# Altium PCB DM1090FFC.PcbDoc (part 1 of 4) (continued)
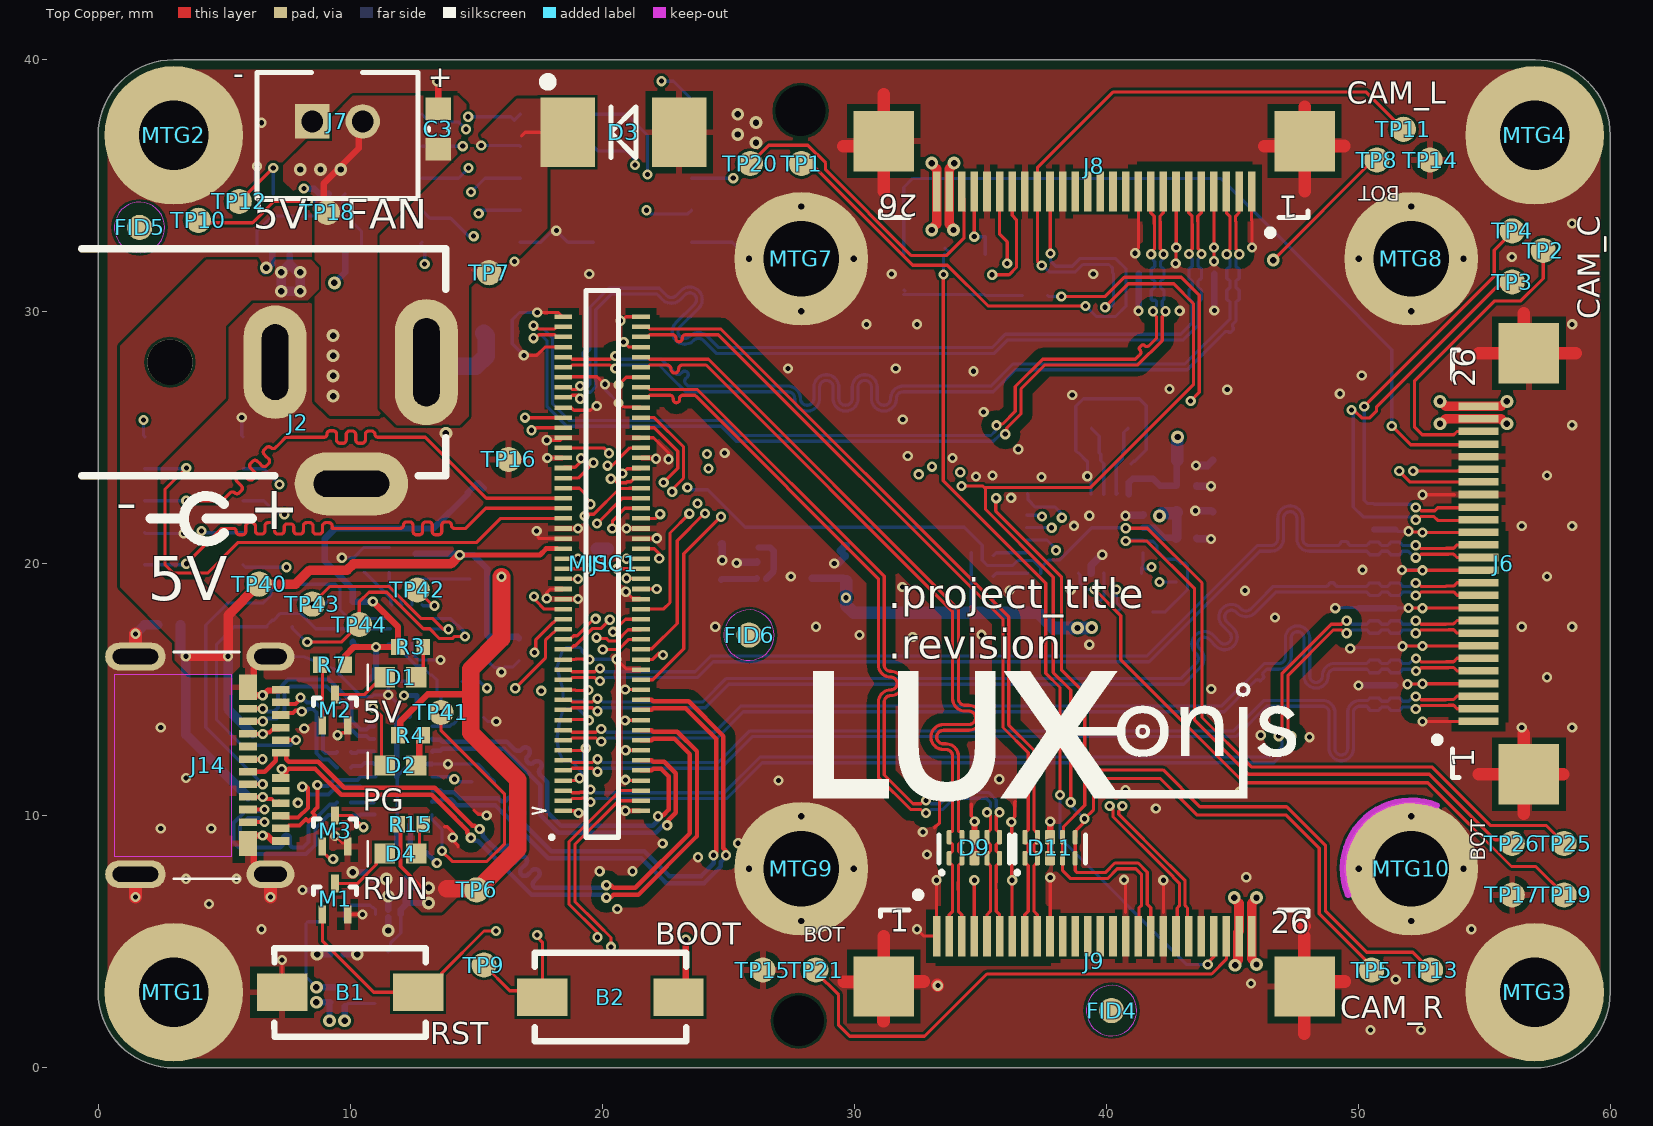
[diagram p0: Top Copper view]
## Design rules (kind name [scope] priority, off if disabled: settings) (continued)
MatchedLengths "Schematic Matched Net Lengths_15" [InNet('MIPI_C_P')] p36: tolerance=25.4 checknetsindiffpair=TRUE checkdiffpairvsdiffpair=FALSE checkxsignals=FALSE checkothers=FALSE usedelayunits=TRUE delaytolerance=0.500000
MatchedLengths "Schematic Matched Net Lengths_14" [InNet('CAM_R_C_P')] p37: tolerance=25.4 checknetsindiffpair=TRUE checkdiffpairvsdiffpair=FALSE checkxsignals=FALSE checkothers=FALSE usedelayunits=TRUE delaytolerance=0.500000
MatchedLengths "Schematic Matched Net Lengths_13" [InNet('MIPI_D3_P')] p38: tolerance=25.4 checknetsindiffpair=TRUE checkdiffpairvsdiffpair=FALSE checkxsignals=FALSE checkothers=FALSE usedelayunits=TRUE delaytolerance=0.500000
MatchedLengths "Schematic Matched Net Lengths_12" [InNet('MIPI_C_N')] p39: tolerance=25.4 checknetsindiffpair=TRUE checkdiffpairvsdiffpair=FALSE checkxsignals=FALSE checkothers=FALSE usedelayunits=TRUE delaytolerance=0.500000
MatchedLengths "Schematic Matched Net Lengths_11" [InNet('MIPI_D3_N')] p40: tolerance=25.4 checknetsindiffpair=TRUE checkdiffpairvsdiffpair=FALSE checkxsignals=FALSE checkothers=FALSE usedelayunits=TRUE delaytolerance=0.500000
MatchedLengths "Schematic Matched Net Lengths_10" [InNet('CAM_R_D0_N')] p41: tolerance=25.4 checknetsindiffpair=TRUE checkdiffpairvsdiffpair=FALSE checkxsignals=FALSE checkothers=FALSE usedelayunits=TRUE delaytolerance=0.500000
MatchedLengths "Schematic Matched Net Lengths_9" [InNet('CAM_L_C_P')] p42: tolerance=25.4 checknetsindiffpair=TRUE checkdiffpairvsdiffpair=FALSE checkxsignals=FALSE checkothers=FALSE usedelayunits=TRUE delaytolerance=0.500000
MatchedLengths "Schematic Matched Net Lengths_8" [InNet('CAM_R_D1_P')] p43: tolerance=25.4 checknetsindiffpair=TRUE checkdiffpairvsdiffpair=FALSE checkxsignals=FALSE checkothers=FALSE usedelayunits=TRUE delaytolerance=0.500000
MatchedLengths "Schematic Matched Net Lengths_1" [InNet('CAM_R_D1_N')] p44: tolerance=25.4 checknetsindiffpair=TRUE checkdiffpairvsdiffpair=FALSE checkxsignals=FALSE checkothers=FALSE usedelayunits=TRUE delaytolerance=0.500000
MatchedLengths MatchLengths_xSignals_SPI [InxSignalClass('SPI')] p45: tolerance=50 checknetsindiffpair=FALSE checkdiffpairvsdiffpair=TRUE checkxsignals=TRUE checkothers=TRUE usedelayunits=TRUE delaytolerance=50.000000
MatchedLengths MatchLengths_xSignals_IMU [InxSignalClass('IMU')] p46: tolerance=50 checknetsindiffpair=FALSE checkdiffpairvsdiffpair=TRUE checkxsignals=TRUE checkothers=TRUE usedelayunits=TRUE delaytolerance=50.000000
MatchedLengths "Schematic Matched Net Lengths_7" [InNetClass('MIPI_CAM_C')] p47: tolerance=0.127 checknetsindiffpair=FALSE checkdiffpairvsdiffpair=TRUE checkxsignals=TRUE checkothers=TRUE usedelayunits=TRUE delaytolerance=1.000000
MatchedLengths "Schematic Matched Net Lengths_6" [InNetClass('MIPI_CAM_B')] p48: tolerance=0.127 checknetsindiffpair=FALSE checkdiffpairvsdiffpair=TRUE checkxsignals=TRUE checkothers=TRUE usedelayunits=TRUE delaytolerance=1.000000
MatchedLengths "Schematic Matched Net Lengths_5" [InNetClass('MIPI_CAM_A')] p49: tolerance=0.127 checknetsindiffpair=FALSE checkdiffpairvsdiffpair=TRUE checkxsignals=TRUE checkothers=TRUE usedelayunits=TRUE delaytolerance=1.000000
MatchedLengths "Schematic Matched Net Lengths_4" [InNetClass('MIPI_CAM_A')] p50: tolerance=25.4 checknetsindiffpair=TRUE checkdiffpairvsdiffpair=FALSE checkxsignals=FALSE checkothers=FALSE usedelayunits=TRUE delaytolerance=0.500000
MatchedLengths "Schematic Matched Net Lengths_3" [InNetClass('MIPI_CAM_C')] p51: tolerance=25.4 checknetsindiffpair=TRUE checkdiffpairvsdiffpair=FALSE checkxsignals=FALSE checkothers=FALSE usedelayunits=TRUE delaytolerance=0.500000
MatchedLengths "Schematic Matched Net Lengths_2" [InNetClass('MIPI_CAM_B')] p52: tolerance=25.4 checknetsindiffpair=TRUE checkdiffpairvsdiffpair=FALSE checkxsignals=FALSE checkothers=FALSE usedelayunits=TRUE delaytolerance=0.500000
MatchedLengths "Schematic Matched Net Lengths" [InNetClass('SDIO')] p53: tolerance=2.54 checknetsindiffpair=FALSE checkdiffpairvsdiffpair=TRUE checkxsignals=TRUE checkothers=TRUE
MinimumSolderMaskSliver [All] p1: minsoldermaskwidth=0.076
PlaneConnect [All] p1: pad.planeconnectstyle=Relief pad.reliefexpansion=0.508 pad.reliefentries=4 pad.reliefconductorwidth=0.254 pad.reliefairgap=0.254 via.planeconnectstyle=Direct via.reliefexpansion=0.508 via.reliefentries=4 via.reliefconductorwidth=0.254 via.reliefairgap=0.254
PolygonConnect OuterLayerGND_PolyClass [InPolygonClass('OuterGND')] p1: thpad.connectstyle=Direct thpad.reliefconductorwidth=0.254 thpad.reliefentries=4 thpad.polygonreliefangle="90 Angle" thpad.airgapwidth=0.254 smdpad.connectstyle=Relief smdpad.reliefconductorwidth=0.254 smdpad.reliefentries=4 smdpad.polygonreliefangle="90 Angle" smdpad.airgapwidth=0.254 via.connectstyle=Direct via.reliefconductorwidth=0.254 via.reliefentries=4 via.polygonreliefangle="90 Angle" via.airgapwidth=0.254
PolygonConnect GenericPoly [All] p2: connectstyle=Direct reliefconductorwidth=0.254 reliefentries=4 polygonreliefangle="90 Angle" airgapwidth=0.254
RoutingVias RoutingVias_Diff [InDifferentialPairClass('All Differential Pairs')] p1: holewidth=0.711 width=1.27 viastyle="Through Hole" minholewidth=0.711 minwidth=1.27 maxholewidth=0.711 maxwidth=1.27 useviatemplates=TRUE viatemplateguid#1={F4E099BB-6AC1-48E9-91A5-F86A9682FA42} viatemplatename#1=v41h20m0mx0
RoutingVias [All] p2: holewidth=0.203 width=0.406 viastyle="Through Hole" minholewidth=0.203 minwidth=0.406 maxholewidth=25.4 maxwidth=25.4 viatemplateguid#1={F4E099BB-6AC1-48E9-91A5-F86A9682FA42} viatemplatename#1=v41h20m0mx0
SilkToSilkClearance [All] p1: silktosilkclearance=0.127
SilkToSolderMaskClearance SilkscreenOverComponentPads [IsPad] p1: minsilkscreentomaskgap=0 clearancetoexposedcopper=FALSE
SolderMaskExpansion [All] p1: expansion=0.051 istentingtop=FALSE
UnRoutedNet [All] p1: checkbadconnections=TRUE
Width [All] p1: maxlimit=2.54 minlimit=0.127 preferedwidth=0.127
19 further rules are at their usual default settings.

## Classes and differential pairs
component class U_DM1090FFC_IMU: C42 C43 C44 C45 C46 C47 C48 R1 R5 R35 R36 TP19 TP25 TP26 U12 Y1
component class U_DM1090FFC_Power_Supply: C1 C2 C3 C4 C5 C6 C7 D3 J2 J7 L1 R2 R6 R8 TP7 TP8 TP10 TP12 TP14 TP15 TP16 TP17 TP18 U1 U2 U3 U4
polygon class OuterGND: L1_GND L4_GND
component class U_BW1098FFC_USB: C8 C9 C10 C73 C74 C76 C207 C208 C209 C211 C212 J14 R31 R32 R183 R185 R186 R187 R190 R213 R214 RZ28 RZ29 TP40 TP41 TP42 TP43 TP44 U61 U62
component class U_DM1090FFC_MIPI_CAM: D5 D6 D7 D8 D9 D10 D11 D12 D13 D14 J6 J8 J9 R10 R12 R13 R14 TP1 TP2 TP3 TP4 TP5 TP11 TP13 TP20 TP21
component class U_DM1090FFC_Connector: B1 B2 C D1 D2 D4 J1 J3 J4 J5 M1 M2 M3 MISC1 R3 R4 R7 R15 TP6 TP9
component class DM1090FFC_TopLevel: FID1 FID2 FID3 FID4 FID5 FID6 MTG1 MTG2 MTG3 MTG4 MTG7 MTG8 MTG9 MTG10
differential pair CAM_R_D1: +CAM_R_D1_P -CAM_R_D1_N
differential pair CAM_R_D0: +CAM_R_D0_P -CAM_R_D0_N
differential pair CAM_R_C: +CAM_R_C_P -CAM_R_C_N
differential pair CAM_L_D1: +CAM_L_D1_P -CAM_L_D1_N
differential pair CAM_L_D0: +CAM_L_D0_P -CAM_L_D0_N
differential pair CAM_L_C: +CAM_L_C_P -CAM_L_C_N
differential pair USB_TX: +USB_TX_P -USB_TX_N
differential pair USB_RX: +USB_RX_P -USB_RX_N
differential pair USB_D: +USB_D_P -USB_D_N
differential pair TXC: +TXC_P -TXC_N
differential pair TXC1: +TXC1_P -TXC1_N
differential pair TXB: +TXB_P -TXB_N
differential pair TXB1: +TXB1_P -TXB1_N
differential pair RXC: +RXC_P -RXC_N
differential pair RXB: +RXB_P -RXB_N
differential pair MIPI_D3: +MIPI_D3_P -MIPI_D3_N
differential pair MIPI_D2: +MIPI_D2_P -MIPI_D2_N
differential pair MIPI_D1: +MIPI_D1_P -MIPI_D1_N
differential pair MIPI_D0: +MIPI_D0_P -MIPI_D0_N
differential pair MIPI_C: +MIPI_C_P -MIPI_C_N

## Components (designator, comment, footprint, x,y, rotation, side; value= is the part's Value field where it differs from the comment)
B1 "Off-Mom, 50mA" DTSM-32N-V 10,3 r0 top
B2 "Off-Mom, 50mA" DTSM-32N-V 20.33,2.8 r180 top locked
C1 "10uF 0603" CAPC0603(1608)100_L 11.5,7.48 r0 bottom
C2 "22uF 0603" CAPC0603(1608)100_N 9.47,3.7 r90 bottom
C3 "22uF 0603" CAPC0603(1608)100_N 13.5,37.25 r270 top
C4 "22uF 0603" CAPC0603(1608)100_N 20,19.8 r270 bottom
C5 "1uF 0402" CAPC0402(1005)70_N 15.4,27.252 r90 bottom
C6 "10uF 0603" CAPC0603(1608)100_L 24.722,20.071 r270 bottom
C7 "10uF 0603" CAPC0603(1608)100_L 29.684,20.009 r270 bottom
C8 "1uF 0402" CAPC0402(1005)70_N 14.76,18.95 r90 bottom
C9 "0.1uF 0201" CAPC0201(0603)33_L 12.104,8.756 r0 bottom
C10 "0.1uF 0201" CAPC0201(0603)33_L 12.655,15.057 r270 bottom
C42 "10uF 0603" CAPC0603(1608)100_L 43.52,22.059 r180 bottom
C43 "10uF 0603" CAPC0603(1608)100_L 43.52,24.109 r180 bottom
C44 "0.1uF 0402" CAPC0402(1005)70_L 43.184,23.089 r180 bottom
C45 "0.1uF 0402" CAPC0402(1005)70_L 43.184,21.019 r180 bottom
C46 "0.1uF 0402" CAPC0402(1005)70_L 39.099,18.268 r180 bottom
C47 "18pF 0201" CAPC0201(0603)33_L 39.532,24.066 r0 bottom
C48 "18pF 0201" CAPC0201(0603)33_L 40.828,24.066 r180 bottom
C73 "10uF 0402" CAPC0402(1005)70_N 16.7,16.6 r90 bottom
C74 "10uF 0402" CAPC0402(1005)70_N 15.284,11.354 r180 bottom
C76 "10uF 0402" CAPC0402(1005)70_N 11.25,15.425 r180 bottom
C207 "10uF 0402" CAPC0402(1005)70_N 2.819,17.577 r0 bottom
C208 "0.1uF 0201" CAPC0201(0603)33_L 9.75,12.525 r0 bottom
C209 "0.1uF 0201" CAPC0201(0603)33_L 9.75,11.925 r0 bottom
C211 "0.1uF 0201" CAPC0201(0603)33_L 9.75,10.525 r0 bottom
C212 "0.1uF 0201" CAPC0201(0603)33_L 9.75,9.925 r0 bottom
D1 "RED 0603" SML_D1xx8W 12,15.5 r0 top
D2 "ORANGE 0603" SML_D1xx8W 12,12 r0 top
D3 "3W, 5.6V" 1SMB5919BT3G 20.843,37.122 r0 top
D4 "ORANGE 0603" SML_D1xx8W 12,8.5 r0 top
D5 "TPD4E02B04DQAR" TPD4E02B04DQAR 44.28,31.095 r180 bottom
D6 "TPD4E02B04DQAR" TPD4E02B04DQAR 51.053,15.18 r90 bottom
D7 "TPD4E02B04DQAR" TPD4E02B04DQAR 41.29,31.095 r180 bottom
D8 "TPD4E02B04DQAR" TPD4E02B04DQAR 51.053,18.24 r90 bottom
D9 "TPD4E02B04DQAR" TPD4E02B04DQAR 34.77,8.735 r0 top
D10 "TPD4E02B04DQAR" TPD4E02B04DQAR 51.053,21.36 r90 bottom
D11 "TPD4E02B04DQAR" TPD4E02B04DQAR 37.77,8.735 r0 top
FID1 "FIDUCIAL_ROUND_1MM" FIDUCIAL_ROUND_1MM 2,32 r90 bottom
FID2 "FIDUCIAL_ROUND_1MM" FIDUCIAL_ROUND_1MM 7,2 r90 bottom
FID3 "FIDUCIAL_ROUND_1MM" FIDUCIAL_ROUND_1MM 57.212,31.215 r90 bottom
FID4 "FIDUCIAL_ROUND_1MM" FIDUCIAL_ROUND_1MM 40.21,2.27 r90 top
FID5 "FIDUCIAL_ROUND_1MM" FIDUCIAL_ROUND_1MM 1.646,33.346 r90 top
FID6 "FIDUCIAL_ROUND_1MM" FIDUCIAL_ROUND_1MM 25.83,17.17 r90 top
J1 "DF40HC(3.0)-100DS-0.4V_BW1099G2 Receptacle" DF40HC-3.0-100DS-0.4V_minpad 20,20 r180 top locked
J2 "PJ-050AH or NEB21R" PJ-050AH/NEB21R_COMBO 7,28 r270 top locked
J3 "20021121-00010T1LF" 20021121-00010T1LF 3.8,22.5 r90 bottom
J4 "20021121-00010T1LF" 20021121-00010T1LF 21.6,35.3 r270 bottom
J5 "20021121-00010T1LF" 20021121-00010T1LF 14.8,35.3 r270 bottom
J6 "FLEX CONNECTOR, 0.50MM PITCH, HE" F32R-1A7H1-11026 55.445,20 r90 top
J7 "B2B-PH-K-S(LF)(SN)" B2B-PH-K-S(LF)(SN) 9.5,37 r180 top
J8 "FLEX CONNECTOR, 0.50MM PITCH, HE" F32R-1A7H1-11026 39.52,35.448 r180 top
J9 "FLEX CONNECTOR, 0.50MM PITCH, HE" F32R-1A7H1-11026 39.52,4.552 r0 top
J14 "USB3.1 TYPEC 24P SMD RA" 105450-0101 6.6,12 r270 top locked
L1 "1uH, 3.2A, 20%" DFE252012P-1R0M=P2 11.98,2.55 r180 bottom
M1 "RE1C002UNTCL" RE1C002UNTCL 9.4,6.7 r0 top
M2 "RE1C002UNTCL" RE1C002UNTCL 9.4,14.2 r0 top
M3 "RE1C002UNTCL" RE1C002UNTCL 9.4,9.4 r0 top
MISC1 "Layout guide for BW1099" BW1099_R3_KTHSNF_Footprint 20.04,20 r180 top
MTG1 "MOUNTING_HOLE_M2.5" MOUNTING_HOLE_M2.5 3,3 r0 top locked
MTG2 "MOUNTING_HOLE_M2.5" MOUNTING_HOLE_M2.5 3,37 r0 top locked
MTG3 "MOUNTING_HOLE_M2.5" MOUNTING_HOLE_M2.5 57,3 r0 top locked
MTG4 "MOUNTING_HOLE_M2.5" MOUNTING_HOLE_M2.5 57,37 r0 top locked
MTG7 "M2, 3MM steel spacer on M2.5 mounting pad" 9774030243R 27.9,32.1 r0 top locked
MTG8 "M2, 3MM steel spacer on M2.5 mounting pad" 9774030243R 52.1,32.1 r0 top locked
MTG9 "M2, 3MM steel spacer on M2.5 mounting pad" 9774030243R 27.9,7.9 r0 top locked
MTG10 "M2, 3MM steel spacer on M2.5 mounting pad" 9774030243R 52.1,7.9 r0 top locked
R1 "2.2K 0402" RESC0402(1005)_L 35.094,20.439 r0 bottom
R2 "442K 0402" RESC0402(1005)_N 9.3,5.86 r180 bottom
R3 "1K 0402" RESC0402(1005)_N 12.4,16.7 r180 top
R4 "1K 0402" RESC0402(1005)_N 12.4,13.2 r180 top
R5 "2.2K 0402" RESC0402(1005)_L 35.519,19.054 r90 bottom
R6 "0R 0603" RESC0603(1608)_N 15.3,29.95 r90 bottom
R7 "1K 0402" RESC0402(1005)_N 9.3,16 r0 top
R8 "97.6K 0402" RESC0402(1005)_N 9.29,7.03 r0 bottom
R10 "0R 0603" RESC0603(1608)_N 31.97,31.48 r90 bottom
R12 "0R 0603" RESC0603(1608)_N 35.2,31.48 r90 bottom
R13 "0R 0603" RESC0603(1608)_N 33.6,31.48 r90 bottom
R14 "22R 0402" RESC0402(1005)_N 37.17,30.65 r180 bottom
R15 "1K 0402" RESC0402(1005)_N 12.4,9.658 r180 top
R31 "10K 0402" RESC0402(1005)_N 10.55,20.15 r90 bottom
R32 "10K 0402" RESC0402(1005)_N 11.55,20.15 r90 bottom
R35 "10K 0402" RESC0402(1005)_L 42.784,19.729 r270 bottom
R36 "0R 0603" RESC0603(1608)_L 41.137,18.089 r180 bottom
R183 "10K 0402" RESC0402(1005)_N 15.5,16.6 r90 bottom
R185 "10K 0402" RESC0402(1005)_N 14.8,13.9 r0 bottom
R186 "10K 0402" RESC0402(1005)_N 13.95,15.325 r0 bottom
R187 "1.8MR 0402" RESC0402(1005)_N 12.6,19.9 r270 bottom
R190 "1.8MR 0402" RESC0402(1005)_N 13.6,19.9 r270 bottom
R213 "10K 0402" RESC0402(1005)_N 9.6,16.9 r0 bottom
R214 "10K 0402" RESC0402(1005)_N 9.6,18.5 r0 bottom
RZ28 "10K 0402" RESC0402(1005)_N 7.2,17.5 r180 bottom
RZ29 "10K 0402" RESC0402(1005)_N 7.2,18.6 r180 bottom
TP1 "TP100_200_NS" TP100_200_NS 27.91,35.88 r0 top
TP2 "TP100_200_NS" TP100_200_NS 57.34,32.43 r0 top
TP3 "TP100_200_NS" TP100_200_NS 56.11,31.18 r180 top
TP4 "TP100_200_NS" TP100_200_NS 56.11,33.209 r180 top
TP5 "TP100_200_NS" TP100_200_NS 50.53,3.88 r0 top
TP6 "TP100_200_NS" TP100_200_NS 15.02,7.06 r90 top
TP7 "TP100_200_NS" TP100_200_NS 15.516,31.549 r0 top
TP8 "TP100_200_NS" TP100_200_NS 50.74,36.02 r0 top
TP9 "TP100_200_NS" TP100_200_NS 15.31,4.08 r0 top
TP10 "TP100_200_NS" TP100_200_NS 3.981,33.627 r90 top
TP11 "TP100_200_NS" TP100_200_NS 51.79,37.24 r90 top
TP12 "TP100_200_NS" TP100_200_NS 5.6,34.377 r90 top
TP13 "TP100_200_NS" TP100_200_NS 52.87,3.88 r90 top
TP14 "TP100_200_NS" TP100_200_NS 52.85,36.02 r90 top
TP15 "TP100_200_NS" TP100_200_NS 26.38,3.88 r90 top
TP16 "TP100_200_NS" TP100_200_NS 16.29,24.14 r90 top
TP17 "TP100_200_NS" TP100_200_NS 56.11,6.86 r90 top
TP18 "TP100_200_NS" TP100_200_NS 9.1,33.94 r90 top
TP19 "TP100_200_NS" TP100_200_NS 58.17,6.86 r90 top
TP20 "TP100_200_NS" TP100_200_NS 25.88,35.88 r90 top
TP21 "TP100_200_NS" TP100_200_NS 28.48,3.88 r90 top
TP25 "TP100_200_NS" TP100_200_NS 58.17,8.9 r90 top
TP26 "TP100_200_NS" TP100_200_NS 56.11,8.9 r90 top
TP40 "TP100_200_NS" TP100_200_NS 6.39,19.19 r180 top
TP41 "TP100_200_NS" TP100_200_NS 13.6,14.1 r90 top
TP42 "TP100_200_NS" TP100_200_NS 12.661,18.961 r90 top
TP43 "TP100_200_NS" TP100_200_NS 8.5,18.4 r90 top
TP44 "TP100_200_NS" TP100_200_NS 10.365,17.591 r0 top
U1 "TLV62568DRLR" TLV62568DRLR 11.51,5.35 r270 bottom
U2 "1.5A ideal diode" LM66100DCKR 9.8,33.58 r90 bottom
U3 "1.5A ideal diode" LM66100DCKR 6.95,33.58 r90 bottom
U4 "TLV70018DCK" TLV70018DCK 27.237,20.071 r90 bottom
U12 "BNO085" BNO085 39.15,21.189 r90 bottom locked
U61 "USB Type-C Switch" CBTL02043A 12.1,11.8 r180 bottom
U62 "USB Type-C Port Control" TUSB321RWBR 12.25,17.625 r270 bottom
Y1 "ABS06-127-32.768KHZ-T" ABS06-127-32.768KHZ-T 40.182,25.393 r180 bottom

## Footprints (in the part's own frame and the unit in brackets; to place one, negate y for a bottom-side part, rotate by r counter-clockwise, add the part's x,y. Pads: shape width x height; smd on the part's side, far side on the other; paste and mask are expansions set on the pad)
1SMB5919BT3G [mm] "Molded, 2-Leads, Body 4.6x3.95mm"
  rect 2.159x2.743 smd: 1(-2.21,0) 2(2.21,0)
  silkscreen extent -3.1,-1 0.5,2.1, body extent -2.3,-1.97 2.3,1.97, height 2.42
105450-0101 [mm] "USB3.1 Type-C Molex SMT, RA, TH"
  rect 0.3x0.7 smd mask+0.05: A1(-3,0.65) A2(-2.5,0.65) A3(-2,0.65) A4(-1.5,0.65) A5(-1,0.65) A6(-0.5,0.65) A7(0.5,0.65) A8(1,0.65) A9(1.5,0.65) A10(2,0.65) A11(2.5,0.65) A12(3,0.65) B2(2.25,-0.65) B3(1.75,-0.65) B4(1.25,-0.65) B5(0.75,-0.65) B6(0.25,-0.65) B7(-0.25,-0.65) B8(-0.75,-0.65) B9(-1.25,-0.65) B10(-1.75,-0.65) B11(-2.25,-0.65)
  rect 1x0.7 smd mask+0.05: B1(3.1,-0.65) B12(-3.1,-0.65)
  oval 1.1x1.9 hole 0.6 slot 1.3 at 90 deg mask+0.05: SH1(-4.32,0.24) SH4(4.32,0.24)
  oval 1.1x2.4 hole 0.6 slot 1.8 at 90 deg mask+0.05: SH2(-4.32,-5.12) SH3(4.32,-5.12)
  Top Copper keep-out region: -3.6,-5.95 3.6,-5.95 3.6,-1.3 -3.6,-1.3
  silkscreen extent -4.5,-3.6 4.5,-1, body extent -4.47,-7.02 4.47,0.88, height 3.2
20021121-00010T1LF [mm] "Connector Header Surface Mount 10 position 0.050\" (1.27mm)   Contact length: 0.120\" (3.05mm)"
  rect 0.76x2.4 smd: 1(-2.54,-1.95) 2(-2.54,1.95) 3(-1.27,-1.95) 4(-1.27,1.95) 5(0,-1.95) 6(0,1.95) 7(1.27,-1.95) 8(1.27,1.95) 9(2.54,-1.95) 10(2.54,1.95)
  body extent -3.18,-2.75 3.17,2.75, height 4.55
9774030243R [mm] "STANDOFF_M2X0.4_3MM with no pad on bottom of PCB"
  round 5.3 / inner round 2.7 / far side round 2.7 hole 3 mask+0.05: 1(0,0)
  body extent -2.17,-2.17 2.18,2.17, height 3.05
ABS06-127-32.768KHZ-T [mm] "2-SMD 0.079\" L x 0.047\" W (2.00mm x 1.20mm)"
  rect 0.75x1.4 smd: 1(-0.73,0) 2(0.73,0)
  body extent -1,-0.6 1,0.6, height 0.65
B2B-PH-K-S(LF)(SN) [mm] "3.4mm pins, 6mm housing"
  rect 1.368x1.368 hole 0.86: P1(1,-0.55)
  round 1.368 hole 0.86: P2(-1,-0.55)
  silkscreen extent -3.2,-2.5 3.2,2.5, body extent -2.95,-2.25 2.95,2.25, height 6
BNO085 [mm] "28-TFLGA Module (5.2x3.8)"
  rect 0.675x0.25 smd paste+0 mask+0: 1(1.562,2.25) 6(-1.562,2.25) 7(-1.562,1.75) 8(-1.562,1.25) 9(-1.562,0.75) 10(-1.562,0.25) 11(-1.562,-0.25) 12(-1.562,-0.75) 13(-1.562,-1.25) 14(-1.562,-1.75) 15(-1.562,-2.25) 20(1.562,-2.25) 21(1.562,-1.75) 22(1.562,-1.25) 23(1.562,-0.75) 24(1.562,-0.25) 25(1.562,0.25) 26(1.562,0.75) 27(1.562,1.25) 28(1.562,1.75)
  rect 0.25x0.575 smd paste+0 mask+0: 2(0.75,2.312) 3(0.25,2.312) 4(-0.25,2.312) 5(-0.75,2.312) 16(-0.75,-2.312) 17(-0.25,-2.312) 18(0.25,-2.312) 19(0.75,-2.312)
  silkscreen extent -2.3,-3.08 3.05,3.08, body extent -1.9,-2.6 1.9,2.6, height 1.18
BW1099_R3_KTHSNF_Footprint [mm] "Graphical/Mechanical footprint for BW1099"
  body extent -35,-15 5,15, height 19
CAPC0201(0603)33_L [mm] "Chip Capacitor, Body 0.6x0.3mm, Height 0.33mm, IPC High Density"
  rect 0.36x0.32 smd: 1(-0.28,0) 2(0.28,0)
  body extent -0.32,-0.17 0.32,0.17, height 0.33
CAPC0402(1005)70_L [mm] "Chip Capacitor, Body 1.0x0.5mm, Height 0.7mm, IPC High Density"
  rect 0.52x0.52 smd: 1(-0.4,0) 2(0.4,0)
  body extent -0.55,-0.3 0.55,0.3, height 0.7
CAPC0402(1005)70_N [mm] "Chip Capacitor, Body 1.0x0.5mm, Height 0.7mm, IPC Medium Density"
  rect 0.62x0.62 smd: 1(-0.45,0) 2(0.45,0)
  body extent -0.55,-0.3 0.55,0.3, height 0.7
CAPC0603(1608)100_L [mm] "Chip Capacitor, Body 1.6x0.8mm, Height 1.0mm, IPC High Density"
  rect 0.7x0.9 smd: 1(-0.7,0) 2(0.7,0)
  silkscreen extent -0.05,-0.35 0.05,0.35, body extent -0.87,-0.47 0.88,0.48, height 1
CAPC0603(1608)100_N [mm] "Chip Capacitor, Body 1.6x0.8mm, Height 1.0mm, IPC Medium Density"
  rect 0.9x1 smd: 1(-0.8,0) 2(0.8,0)
  silkscreen extent -0.05,-0.4 0.05,0.4, body extent -0.87,-0.48 0.88,0.47, height 1
CBTL02043A [mm] "VQFN-20"
  rrect20% 0.25x0.6 smd mask+0.07: 1(-0.25,2.15) 10(-0.25,-2.15) 11(0.25,-2.15) 20(0.25,2.15)
  rrect20% 0.6x0.25 smd mask+0.07: 2(-1.15,1.75) 3(-1.15,1.25) 4(-1.15,0.75) 5(-1.15,0.25) 6(-1.15,-0.25) 7(-1.15,-0.75) 8(-1.15,-1.25) 9(-1.15,-1.75) 12(1.15,-1.75) 13(1.15,-1.25) 14(1.15,-0.75) 15(1.15,-0.25) 16(1.15,0.25) 17(1.15,0.75) 18(1.15,1.25) 19(1.15,1.75)
  rrect10% 1x3 smd paste-3 mask+0.07: 21(0,0)
  silkscreen extent -1.25,-2.25 1.25,2.53, body extent -1.25,-2.25 1.25,2.25, height 1
DF40HC-3.0-100DS-0.4V_minpad [mm] "3.0MM MATED HEIGHT CONN HDR 100POS 0.4MM SMD GOLD"
  rect 0.7x0.18 smd: 1(1.54,9.8) 2(-1.54,9.8) 3(1.54,9.4) 4(-1.54,9.4) 5(1.54,9) 6(-1.54,9) 7(1.54,8.6) 8(-1.54,8.6) 9(1.54,8.2) 10(-1.54,8.2) 11(1.54,7.8) 12(-1.54,7.8) 13(1.54,7.4) 14(-1.54,7.4) 15(1.54,7) 16(-1.54,7) 17(1.54,6.6) 18(-1.54,6.6) 19(1.54,6.2) 20(-1.54,6.2) 21(1.54,5.8) 22(-1.54,5.8) 23(1.54,5.4) 24(-1.54,5.4) 25(1.54,5) 26(-1.54,5) 27(1.54,4.6) 28(-1.54,4.6) 29(1.54,4.2) 30(-1.54,4.2) 31(1.54,3.8) 32(-1.54,3.8) 33(1.54,3.4) 34(-1.54,3.4) 35(1.54,3) 36(-1.54,3) 37(1.54,2.6) 38(-1.54,2.6) 39(1.54,2.2) 40(-1.54,2.2) 41(1.54,1.8) 42(-1.54,1.8) 43(1.54,1.4) 44(-1.54,1.4) 45(1.54,1) 46(-1.54,1) 47(1.54,0.6) 48(-1.54,0.6) 49(1.54,0.2) 50(-1.54,0.2) 51(1.54,-0.2) 52(-1.54,-0.2) 53(1.54,-0.6) 54(-1.54,-0.6) 55(1.54,-1) 56(-1.54,-1) 57(1.54,-1.4) 58(-1.54,-1.4) 59(1.54,-1.8) 60(-1.54,-1.8) 61(1.54,-2.2) 62(-1.54,-2.2) 63(1.54,-2.6) 64(-1.54,-2.6) 65(1.54,-3) 66(-1.54,-3) 67(1.54,-3.4) 68(-1.54,-3.4) 69(1.54,-3.8) 70(-1.54,-3.8) 71(1.54,-4.2) 72(-1.54,-4.2) 73(1.54,-4.6) 74(-1.54,-4.6) 75(1.54,-5) 76(-1.54,-5) 77(1.54,-5.4) 78(-1.54,-5.4) 79(1.54,-5.8) 80(-1.54,-5.8) 81(1.54,-6.2) 82(-1.54,-6.2) 83(1.54,-6.6) 84(-1.54,-6.6) 85(1.54,-7) 86(-1.54,-7) 87(1.54,-7.4) 88(-1.54,-7.4) 89(1.54,-7.8) 90(-1.54,-7.8) 91(1.54,-8.2) 92(-1.54,-8.2) 93(1.54,-8.6) 94(-1.54,-8.6) 95(1.54,-9) 96(-1.54,-9) 97(1.54,-9.4) 98(-1.54,-9.4) 99(1.54,-9.8) 100(-1.54,-9.8)
  silkscreen extent -0.65,-10.85 2.75,10.88, body extent -1.69,-11.31 1.69,11.29, height 2.85
DFE252012P-1R0M=P2 [mm] "Chip Inductor, 2-Leads, Body 2.40x2.00mm, IPC High Density"
  rect 0.8x2 smd: 1(-1,0) 2(1,0)
  silkscreen extent -0.05,-0.9 0.05,0.9, body extent -1.25,-1.1 1.25,1.1, height 1.2
DTSM-32N-V [mm] "tactile button 160gf"
  rect 2x1.5 smd: 1(-2.7,0) 2(2.7,0)
  silkscreen extent -3.01,-1.76 3,1.75, body extent -3.65,-1.75 3.65,1.75, height 5
F32R-1A7H1-11026 [mm] "26pin Molex FFC 0.5mm Bottom"
  rect 0.3x1.6 smd: 1(-6.25,0.675) 2(-5.75,0.675) 3(-5.25,0.675) 4(-4.75,0.675) 5(-4.25,0.675) 6(-3.75,0.675) 7(-3.25,0.675) 8(-2.75,0.675) 9(-2.25,0.675) 10(-1.75,0.675) 11(-1.25,0.675) 12(-0.75,0.675) 13(-0.25,0.675) 14(0.25,0.675) 15(0.75,0.675) 16(1.25,0.675) 17(1.75,0.675) 18(2.25,0.675) 19(2.75,0.675) 20(3.25,0.675) 21(3.75,0.675) 22(4.25,0.675) 23(4.75,0.675) 24(5.25,0.675) 25(5.75,0.675) 26(6.25,0.675)
  rect 2.4x2.4 smd: MP1(-8.35,-1.325) MP2(8.35,-1.325)
  silkscreen extent -8.49,1.45 8.49,2.44, body extent -10.16,-4.47 10.14,1.03, height 2.08
FIDUCIAL_ROUND_1MM [mm] "Round, 1mm dia"
  round 1 smd paste-1 mask+0.5: 1(0,0)
  Top Copper keep-out circle w0.025: c0,0 r1
LM66100DCKR [mm] "SOT23, 6-Leads, Body 2.00x2.10mm, Pitch 0.65mm, IPC Medium Density"
  rect 0.85x0.35 smd: 1(-1.1,0.65) 2(-1.1,0) 3(-1.1,-0.65) 4(1.1,-0.65) 5(1.1,0) 6(1.1,0.65)
  silkscreen extent -1.22,-1.1 0.3,1.5, body extent -1.2,-1.07 1.2,1.07, height 1.1
MOUNTING_HOLE_M2.5 [mm] "2.7mm dia hole, 5.5mm dia ring"
  round 5.5 / inner round 3 / far side round 5.5 hole 2.75: 1(0,0)
PJ-050AH/NEB21R_COMBO [mm] "PJ-050AH or NEB21R 2.1mm ID, 5.5mm OD, 3pin, 2contact"
  oval 5x2.5 hole 1.05 slot 3.5 at 0 deg mask+0.05: 1(0,6.025)
  oval 2.5x4.5 hole 1.05 slot 3 at 90 deg mask+0.05: 2(4.825,3.05)
  oval 4.5x2.5 hole 1.05 slot 3 at 0 deg mask+0.05: 3(0,0.025)
  round 1.8 hole 1.8 unplated: ""(0,-4.15)
  silkscreen extent -4.5,-7.65 7.11,6.8, body extent -4.5,-7.65 5.2,6.85, height 11.05
RE1C002UNTCL [mm] "ROHM SOT-416FL"
  rect 0.3x0.71 smd: 1(-0.5,-0.61) 2(0.5,-0.61) 3(0,0.61)
  silkscreen extent -0.85,0.18 0.85,0.48, body extent -0.95,-1.06 0.95,1.06, height 0.25
RESC0402(1005)_L [mm] "Chip Resistor, Body 1.0x0.5mm, IPC High Density"
  rect 0.45x0.55 smd: 1(-0.45,0) 2(0.45,0)
  body extent -0.52,-0.27 0.53,0.28, height 0.4
RESC0402(1005)_N [mm] "Chip Resistor, Body 1.0x0.5mm, IPC Medium Density"
  rect 0.55x0.65 smd: 1(-0.5,0) 2(0.5,0)
  body extent -0.52,-0.27 0.53,0.28, height 0.4
RESC0603(1608)_L [mm] "Chip Resistor, Body 1.6x0.8mm, IPC High Density"
  rect 0.7x0.9 smd: 1(-0.7,0) 2(0.7,0)
  silkscreen extent -0.05,-0.35 0.05,0.35, body extent -0.85,-0.47 0.85,0.47, height 0.6
RESC0603(1608)_N [mm] "Chip Resistor, Body 1.6x0.8mm, IPC Medium Density"
  rect 0.9x1 smd: 1(-0.8,0) 2(0.8,0)
  silkscreen extent -0.05,-0.4 0.05,0.4, body extent -0.85,-0.47 0.85,0.47, height 0.6
SML_D1xx8W [mm] "Rohm LED SML_D1 series - Chip Diode, 2-Leads, Body 1.60x0.80mm, IPC High Density"
  rect 0.8x0.8 smd: 1(-0.625,0) 2(0.625,0)
  silkscreen extent -1.3,-0.5 -1.3,0.5, body extent -0.8,-0.4 0.8,0.4, height 0.6
TLV62568DRLR [mm] "SOT-563, SOT-666,  SOT-563-6"
  rrect33% 0.67x0.3 smd paste+0 mask+0.05: 1(-0.74,0.5) 2(-0.74,0) 3(-0.74,-0.5) 4(0.74,-0.5) 5(0.74,0) 6(0.74,0.5)
  silkscreen extent -1.4,-0.95 0.5,1.1, body extent -0.8,-0.8 0.8,0.8, height 0.61
TLV70018DCK [mm] "SC70-5 1.1mm"
  rect 0.4x0.9 smd paste-0.025 mask+0.05: 1(-0.65,-1.1) 2(0,-1.1) 3(0.65,-1.1) 4(0.65,1.1) 5(-0.65,1.1)
  silkscreen extent -1.17,-1.63 -1.12,-1.57, body extent -1.1,-1.2 1.1,1.2, height 1.1
TP100_200_NS [mm] "1mm dia pad, 2mm dia clearance, no silk screen"
  round 1 smd paste-2: 1(0,0)
TPD4E02B04DQAR [mm] "TPD4E02B04DQAR"
  rrect50% 0.2x0.565 smd mask+0.07: 1(-1,-0.417) 2(-0.5,-0.417) 4(0.5,-0.417) 5(1,-0.417) 6(1,0.417) 7(0.5,0.417) 9(-0.5,0.417) 10(-1,0.417)
  rrect25% 0.4x0.565 smd mask+0.07: 3(0,-0.417) 8(0,0.417)
  silkscreen extent -1.4,-1.01 1.4,0.5, body extent -1.2,-0.71 1.2,0.71, height 0.55
TUSB321RWBR [mm] "X2QFN-12 1.6x1.6"
  rrect50% 0.2x0.7 smd mask+0.05: 1(0.2,0.65) 2(-0.2,0.65) 7(-0.2,-0.65) 8(0.2,-0.65)
  rrect50% 0.5x0.2 smd mask+0.05: 3(-0.75,0.6) 4(-0.75,0.2) 5(-0.75,-0.2) 6(-0.75,-0.6) 9(0.75,-0.6) 10(0.75,-0.2) 11(0.75,0.2) 12(0.75,0.6)
  silkscreen extent 0.57,0.97 0.63,1.03, body extent -0.8,-0.8 0.8,0.8, height 0.4

## Part data
B1 B2: library part DTSM-32N-V, "SWITCH TACTILE SMT 3.5mm * 6mm , brown 160gf", Manufacturer 1=Diptronics, Manufacturer Part Number 1=DTSM-32N-V-T/R, Max Operating Temperature=80°C, Min Operating Temperature=-30°C, Supplier Part Number 1=113-DTSM32NVTR, ComponentLink1Description=https://datasheet.ciiva.com/29188/708548-da-01-en-tastschalter-smd-dtsm-32n-v-tr-1600st-29188823.pdf?src-supplier=Conrad, ComponentLink1URL=https://datasheet.ciiva.com/29188/708548-da-01-en-tastschalter-smd-dtsm-32n-v-tr-1600st-29188823.pdf?src-supplier=Conrad, Height=5mm, Length=6mm, Pricing 1="1=0.38000, 10=0.38000, 50=0.31000, 100=0.28200, 500=0.25600, 1000=0.23600, 1600=0.20900, 4800=0.18800, 9600=0.17300, 10000=0.17300, 24000=0.16100 (USD)", Stock 1=3199, Supplier 1=Mouser, Width=3.5mm
  B1: RoHS=No
  B2: RoHS=Yes
C1: library part GRM188R61A106ME69D, "CAP CER 10UF 10V X5R 0603 20%", Capacitance=10uF, Case/Package=0603, Case Code (Metric)=1608, Dielectric=X5R, Manufacturer 1=Murata, Max Operating Temperature=85°C, Min Operating Temperature=-55°C, Package Quantity=4000, Supplier Part Number 1=490-10475-1-ND, Tolerance=20%, Voltage Rating=10V, Case Code (Imperial)=0603, ComponentLink1Description=http://www.mouser.com/ds/2/281/c02e-2905.pdf?src-supplier=Mouser, ComponentLink1URL=http://www.mouser.com/ds/2/281/c02e-2905.pdf?src-supplier=Mouser, ComponentLink2Description=http://components.arrow.com/part/dataview/0323_06119472?src-supplier=Arrow+Europe, ComponentLink2URL=http://components.arrow.com/part/dataview/0323_06119472?src-supplier=Arrow+Europe, ComponentLink3Description=http://www.farnell.com/datasheets/2048014.pdf?src-supplier=Farnell, ComponentLink3URL=http://www.farnell.com/datasheets/2048014.pdf?src-supplier=Farnell, ComponentLink4Description=http://www.farnell.com/datasheets/1872210.pdf?src-supplier=Farnell, ComponentLink4URL=http://www.farnell.com/datasheets/1872210.pdf?src-supplier=Farnell, ComponentLink5Description=http://search.murata.co.jp/Ceramy/image/img/A01X/G101/ENG/GRM188R61A106ME69-01.pdf?src-supplier=Digi-Key, ComponentLink5URL=http://search.murata.co.jp/Ceramy/image/img/A01X/G101/ENG/GRM188R61A106ME69-01.pdf?src-supplier=Digi-Key, ComponentLink6Description=http://www.farnell.com/datasheets/1872210.pdf?src-supplier=Newark, ComponentLink6URL=http://www.farnell.com/datasheets/1872210.pdf?src-supplier=Newark, ComponentLink7Description=http://www.farnell.com/datasheets/2048014.pdf?src-supplier=Element14, ComponentLink7URL=http://www.farnell.com/datasheets/2048014.pdf?src-supplier=Element14, ComponentLink8Description=http://www.farnell.com/datasheets/2048014.pdf?src-supplier=Newark, ComponentLink8URL=http://www.farnell.com/datasheets/2048014.pdf?src-supplier=Newark, Depth=0.8mm, Height=0.8mm, Lead Free="Lead Free", Length=1.6mm, Manufacturer Part Number 1=GRM188R61A106ME69D, Material=Ceramic, Mount="Surface Mount", Packaging="Tape and Reel", Pricing 1="1=0.21000, 10=0.14100, 100=0.07130, 500=0.04876, 1000=0.04313 (USD)", REACH SVHC=Unknown, RoHS=Yes, Stock 1=2873098, Supplier 1=Digi-Key, Termination=SMD/SMT, Thickness=0.035inch, Voltage Rating (DC)=10V, Weight=0.000222oz, Width=0.8mm
C2: library part GRM188R61A226ME15D, "CAP CER 22UF 10V X5R 0603 20%", Capacitance=22uF, Case Code (Imperial)=0603, Case Code (Metric)=1608, Dielectric=X5R, Manufacturer 1=Murata, Max Operating Temperature=85°C, Min Operating Temperature=-55°C, Package Quantity=4000, Supplier Part Number 1=490-10476-1-ND, Tolerance=20%, Voltage Rating=10V, Case/Package=0603, ComponentLink1Description=https://datasheet.ciiva.com/46444/1769893-46444975.pdf?src-supplier=Element14, ComponentLink1URL=https://datasheet.ciiva.com/46444/1769893-46444975.pdf?src-supplier=Element14, Depth=0.8mm, Height=0.8mm, Lead Free="Lead Free", Length=1.6mm, Manufacturer Part Number 1=GRM188R61A226ME15D, Material=Ceramic, Mount="Surface Mount", Packaging="Tape and Reel", Pricing 1="1=0.31000, 10=0.21500, 100=0.12160, 500=0.08584, 1000=0.07512 (USD)", REACH SVHC="No SVHC", RoHS=Yes, Stock 1=984716, Supplier 1=Digi-Key, Termination=SMD/SMT, Thickness=0.039inch, Voltage Rating (DC)=10V, Weight=0.000222oz, Width=0.8mm
C3 C4: library part GRM188R61A226ME15D, "CAP CER 22UF 10V X5R 0603 20%", Capacitance=22uF, Case/Package=0603, Case Code (Metric)=1608, Dielectric=X5R, Manufacturer 1=Murata, Max Operating Temperature=85°C, Min Operating Temperature=-55°C, Package Quantity=4000, Supplier Part Number 1=490-10476-1-ND, Tolerance=20%, Voltage Rating=10V, Case Code (Imperial)=0603, ComponentLink1Description=https://datasheet.ciiva.com/46444/1769893-46444975.pdf?src-supplier=Element14, ComponentLink1URL=https://datasheet.ciiva.com/46444/1769893-46444975.pdf?src-supplier=Element14, Depth=0.8mm, Height=0.8mm, Lead Free="Lead Free", Length=1.6mm, Manufacturer Part Number 1=GRM188R61A226ME15D, Material=Ceramic, Mount="Surface Mount", Packaging="Tape and Reel", Pricing 1="1=0.31000, 10=0.21500, 100=0.12160, 500=0.08584, 1000=0.07512 (USD)", REACH SVHC="No SVHC", RoHS=Yes, Stock 1=984716, Supplier 1=Digi-Key, Termination=SMD/SMT, Thickness=0.039inch, Voltage Rating (DC)=10V, Weight=0.000222oz, Width=0.8mm
C5 C8: library part GRM155R61E105KA12D, "CAP CER 1UF 25V X5R 0402 10%", Capacitance=1uF, Case Code (Imperial)=0402, Case Code (Metric)=1005, Dielectric=X5R, Manufacturer 1=Murata, Max Operating Temperature=85°C, Min Operating Temperature=-55°C, Package Quantity=10000, Supplier Part Number 1=490-10017-1-ND, Tolerance=10%, Voltage=25V, Case/Package=0402, ComponentLink1Description=https://datasheet.ciiva.com/22732/1666664-22732122.pdf?src-supplier=Element14, ComponentLink1URL=https://datasheet.ciiva.com/22732/1666664-22732122.pdf?src-supplier=Element14, ComponentLink2Description=https://datasheet.ciiva.com/7719/1666664-7719006.pdf?src-supplier=Element14, ComponentLink2URL=https://datasheet.ciiva.com/7719/1666664-7719006.pdf?src-supplier=Element14, Depth=0.5mm, Height=0.5mm, Lead Free="Lead Free", Length=1mm, Manufacturer Part Number 1=GRM155R61E105KA12D, Material=Ceramic, Mount="Surface Mount", Packaging="Tape and Reel", Pricing 1="1=0.10000, 10=0.07100, 100=0.03350, 500=0.02352, 1000=0.01947, 2500=0.01812, 5000=0.01658 (USD)", REACH SVHC="No SVHC", RoHS=Yes, Stock 1=200653, Supplier 1=Digi-Key, Termination=SMD/SMT, Thickness=0.022inch, Voltage Rating=25V, Voltage Rating (DC)=25V, Weight=0.000212oz, Width=0.5mm
  C8: Supplier 2=Arrow, Supplier 3=TTI, Supplier Part Number 2=GRM155R61E105KA12D, Supplier Part Number 3=GRM155R61E105KA12D
C6 C7 C42 C43: library part GRM188R61A106ME69D, "CAP CER 10UF 10V X5R 0603 20%", Capacitance=10uF, Case Code (Imperial)=0603, Case Code (Metric)=1608, Dielectric=X5R, Manufacturer 1=Murata, Max Operating Temperature=85°C, Min Operating Temperature=-55°C, Package Quantity=4000, Supplier Part Number 1=490-10475-1-ND, Tolerance=20%, Voltage Rating=10V, Case/Package=0603, ComponentLink1Description=http://www.mouser.com/ds/2/281/c02e-2905.pdf?src-supplier=Mouser, ComponentLink1URL=http://www.mouser.com/ds/2/281/c02e-2905.pdf?src-supplier=Mouser, ComponentLink2Description=http://components.arrow.com/part/dataview/0323_06119472?src-supplier=Arrow+Europe, ComponentLink2URL=http://components.arrow.com/part/dataview/0323_06119472?src-supplier=Arrow+Europe, ComponentLink3Description=http://www.farnell.com/datasheets/2048014.pdf?src-supplier=Farnell, ComponentLink3URL=http://www.farnell.com/datasheets/2048014.pdf?src-supplier=Farnell, ComponentLink4Description=http://www.farnell.com/datasheets/1872210.pdf?src-supplier=Farnell, ComponentLink4URL=http://www.farnell.com/datasheets/1872210.pdf?src-supplier=Farnell, ComponentLink5Description=http://search.murata.co.jp/Ceramy/image/img/A01X/G101/ENG/GRM188R61A106ME69-01.pdf?src-supplier=Digi-Key, ComponentLink5URL=http://search.murata.co.jp/Ceramy/image/img/A01X/G101/ENG/GRM188R61A106ME69-01.pdf?src-supplier=Digi-Key, ComponentLink6Description=http://www.farnell.com/datasheets/1872210.pdf?src-supplier=Newark, ComponentLink6URL=http://www.farnell.com/datasheets/1872210.pdf?src-supplier=Newark, ComponentLink7Description=http://www.farnell.com/datasheets/2048014.pdf?src-supplier=Element14, ComponentLink7URL=http://www.farnell.com/datasheets/2048014.pdf?src-supplier=Element14, ComponentLink8Description=http://www.farnell.com/datasheets/2048014.pdf?src-supplier=Newark, ComponentLink8URL=http://www.farnell.com/datasheets/2048014.pdf?src-supplier=Newark, Depth=0.8mm, Height=0.8mm, Lead Free="Lead Free", Length=1.6mm, Manufacturer Part Number 1=GRM188R61A106ME69D, Material=Ceramic, Mount="Surface Mount", Packaging="Tape and Reel", Pricing 1="1=0.21000, 10=0.14100, 100=0.07130, 500=0.04876, 1000=0.04313 (USD)", REACH SVHC=Unknown, RoHS=Yes, Stock 1=2873098, Supplier 1=Digi-Key, Termination=SMD/SMT, Thickness=0.035inch, Voltage Rating (DC)=10V, Weight=0.000222oz, Width=0.8mm
C9 C10: library part GRM033R61A104KE15D, "CAP CER 0.1UF 10V X5R 0201", Capacitance=100nF, Case Code (Imperial)=0201, Case Code (Metric)=0603, Dielectric=X5R, Manufacturer 1=Murata, Max Operating Temperature=85°C, Min Operating Temperature=-55°C, Package Quantity=1, Supplier Part Number 1=490-5881-1-ND, Tolerance=10%, Voltage=10V, Case/Package=0201, ComponentLink1Description=https://datasheet.ciiva.com/26843/getdatasheetpartid-308656-26843739.pdf?src-supplier=Verical, ComponentLink1URL=https://datasheet.ciiva.com/26843/getdatasheetpartid-308656-26843739.pdf?src-supplier=Verical, ComponentLink2Description=https://datasheet.ciiva.com/5413/product-5413117.pdf?src-supplier=Mouser, ComponentLink2URL=https://datasheet.ciiva.com/5413/product-5413117.pdf?src-supplier=Mouser, ComponentLink3Description=https://datasheet.ciiva.com/6256/partnumbering-e-01-6256406.pdf?src-supplier=Digi-Key, ComponentLink3URL=https://datasheet.ciiva.com/6256/partnumbering-e-01-6256406.pdf?src-supplier=Digi-Key, ComponentLink4Description=https://datasheet.ciiva.com/6256/partnumbering-e-01-6256407.pdf?src-supplier=Digi-Key, ComponentLink4URL=https://datasheet.ciiva.com/6256/partnumbering-e-01-6256407.pdf?src-supplier=Digi-Key, ComponentLink5Description=https://datasheet.ciiva.com/6256/partnumbering-e-01-6256408.pdf?src-supplier=Digi-Key, ComponentLink5URL=https://datasheet.ciiva.com/6256/partnumbering-e-01-6256408.pdf?src-supplier=Digi-Key, Depth=0.3mm, Height=0.3mm, Lead Free="Lead Free", Length=0.6mm, Manufacturer Part Number 1=GRM033R61A104KE15D, Mount="Surface Mount", Packaging="Tape and Reel", Pricing 1="1=0.10000, 10=0.04200, 100=0.01860, 500=0.01330, 1000=0.01045, 2500=0.00950, 5000=0.00874 (USD)", Radiation Hardening=No, REACH SVHC="No SVHC", RoHS=Yes, Stock 1=45335312, Supplier 1=Digi-Key, Termination=SMD/SMT, Thickness=0.013inch, Voltage Rating=10V, Voltage Rating (DC)=10V, Weight=6E-06oz, Width=0.012inch
C44 C45 C46: library part GRM155R71A104JA01D, "CAP CER 0.1UF 10V X7R 0402 5%", Capacitance=100nF, Case Code (Imperial)=0402, Case Code (Metric)=1005, Dielectric=X7R, Manufacturer 1=Murata, Max Operating Temperature=125°C, Min Operating Temperature=-55°C, Package Quantity=10000, Supplier Part Number 1=490-10777-1-ND, Tolerance=5%, Voltage Rating=10V, Case/Package=0402, ComponentLink1Description=https://datasheet.ciiva.com/5411/product-5411135.pdf?src-supplier=Mouser, ComponentLink1URL=https://datasheet.ciiva.com/5411/product-5411135.pdf?src-supplier=Mouser, ComponentLink2Description=https://datasheet.ciiva.com/11618/c02e-11618821.pdf?src-supplier=Avnet, ComponentLink2URL=https://datasheet.ciiva.com/11618/c02e-11618821.pdf?src-supplier=Avnet, Depth=0.5mm, Height=0.5mm, Lead Free="Lead Free", Length=1mm, Manufacturer Part Number 1=GRM155R71A104JA01D, Mount="Surface Mount", Packaging="Tape and Reel", Pricing 1="1=0.10000, 10=0.02500, 100=0.01130, 500=0.00806, 1000=0.00633, 2500=0.00575, 5000=0.00529 (USD)", Radiation Hardening=No, RoHS=Yes, Stock 1=1346709, Supplier 1=Digi-Key, Termination=SMD/SMT, Thickness=0.022inch, Voltage Rating (DC)=10V, Width=0.02inch
C47 C48: library part GRM0335C1E180FA01D, "Cap Ceramic 18pF 25V C0G 1% Pad SMD 0201 125C T/R", Capacitance=18pF, Case Code (Imperial)=0201, Case Code (Metric)=0603, Dielectric=C0G, Manufacturer 1=Murata, Max Operating Temperature=125°C, Min Operating Temperature=-55°C, Package Quantity=15000, Supplier Part Number 1=490-17804-1-ND, Tolerance=1%, Voltage Rating=25V, Case/Package=0201, Category="Ceramic Capacitors", ComponentLink1Description=https://datasheet.ciiva.com/29538/partnumbering-e-01-29538328.pdf?src-supplier=Digi-Key, ComponentLink1URL=https://datasheet.ciiva.com/29538/partnumbering-e-01-29538328.pdf?src-supplier=Digi-Key, Height=0.3mm, Length=0.024inch, Manufacturer Part Number 1=GRM0335C1E180FA01D, Mount="Surface Mount", Packaging="Tape and Reel", Pricing 1="1=0.10000, 10=0.02100, 100=0.00930, 500=0.00666, 1000=0.00523, 2500=0.00476, 5000=0.00438 (USD)", RoHS=Yes, Stock 1=27511, Supplier 1=Digi-Key, Supplier 2=Digi-Key, Supplier 3=Mouser, Supplier Part Number 2=490-17804-2-ND, Supplier Part Number 3=81-GRM0335C1E180FA1D, Termination=SMD/SMT, Thickness=0.013inch, Voltage Rating (DC)=25V, Width=0.3mm
C73 C74 C76 C207: library part GRM155R60J106ME15D, "CAP CER 10UF 6.3V X5R 0402 20%", Capacitance=10uF, Case/Package=0402, Case Code (Metric)=1005, Dielectric=X5R, Manufacturer 1=Murata, Max Operating Temperature=85°C, Min Operating Temperature=-55°C, Supplier Part Number 1=490-13238-1-ND, Tolerance=20%, Voltage Rating=6.3V, Case Code (Imperial)=0402, ComponentLink1Description=https://www.murata.com/~/media/webrenewal/support/library/catalog/products/capacitor/mlcc/c02e.ashx?la=en-us&src-supplier=Digi-Key, ComponentLink1URL=https://www.murata.com/~/media/webrenewal/support/library/catalog/products/capacitor/mlcc/c02e.ashx?la=en-us&src-supplier=Digi-Key, Length=0.039inch, Manufacturer Part Number 1=GRM155R60J106ME15D, Mount="Surface Mount", Packaging="Tape and Reel", Pricing 1="1=0.23000, 10=0.15700, 100=0.07950, 500=0.05442, 1000=0.04814, 2500=0.04605, 5000=0.04186 (USD)", RoHS=Yes, Stock 1=1839627, Supplier 1=Digi-Key, Thickness=0.026inch, Voltage Rating (DC)=6.3V, Width=0.02inch